# Altium PCB IntelligentCarFor51PcbDoc.PcbDoc (part 9 of 14) (continued)
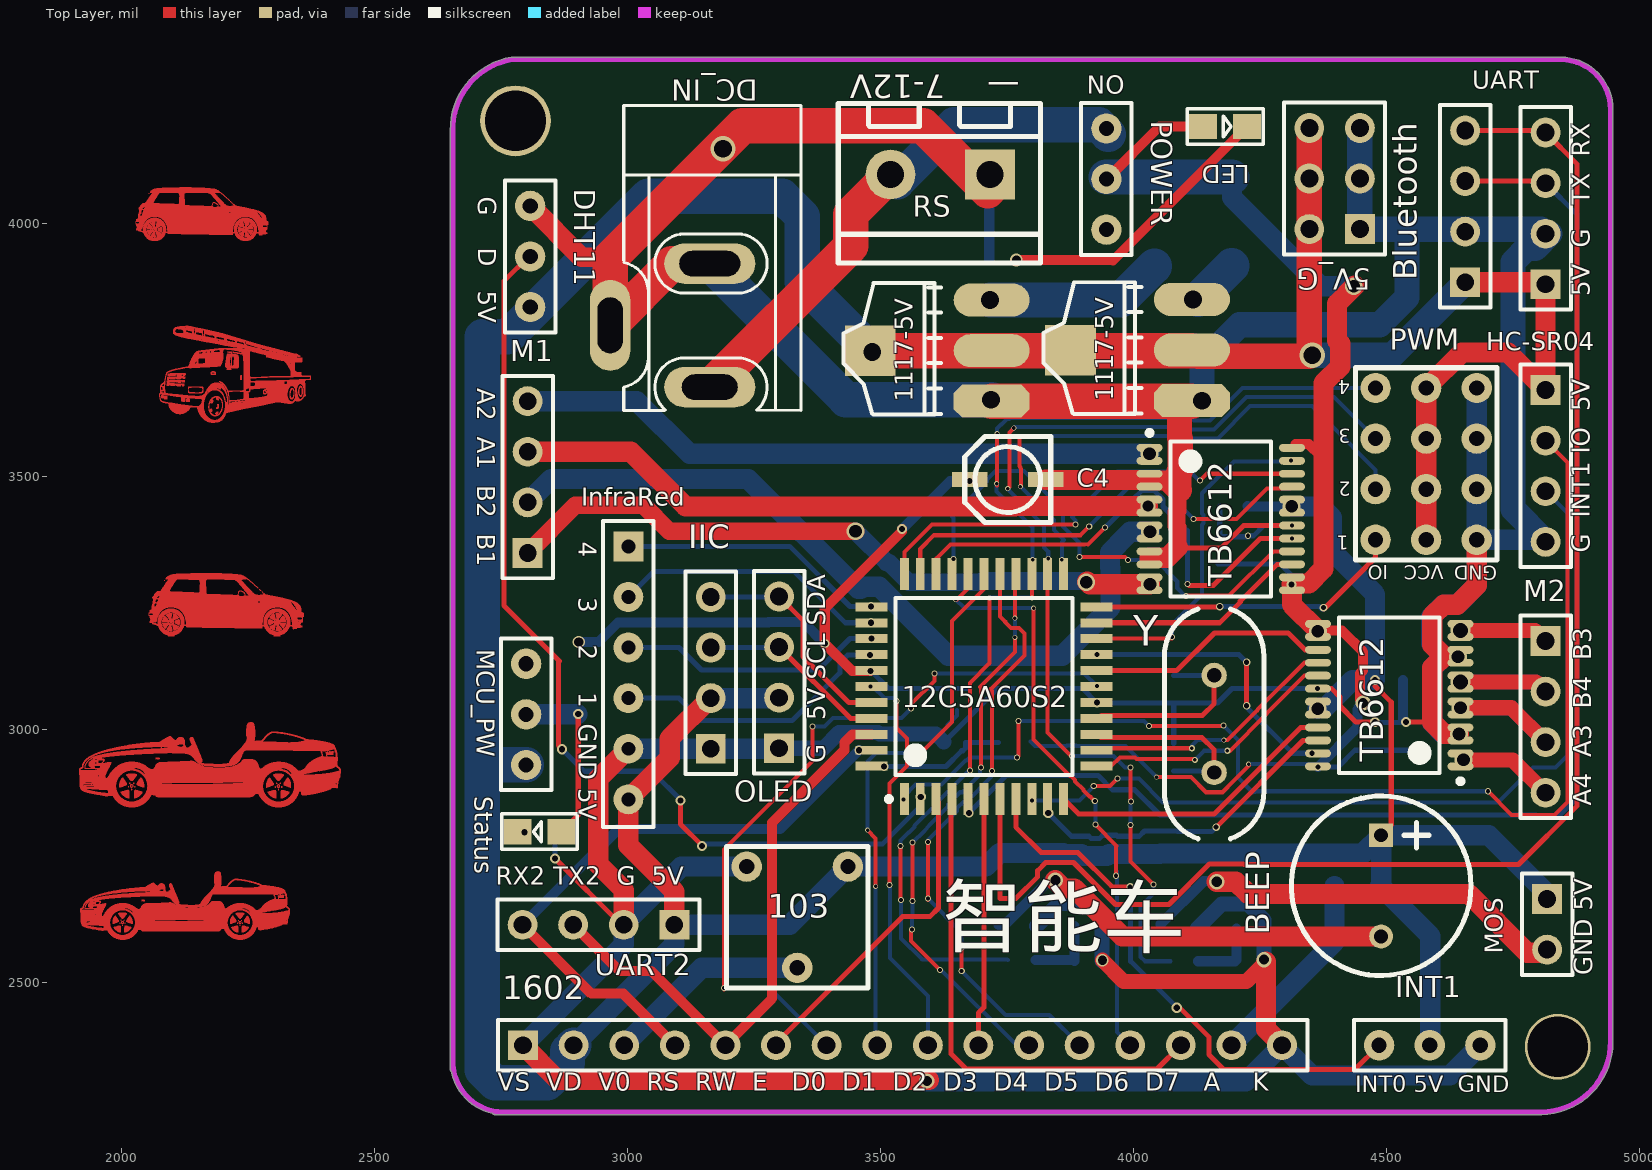
[diagram p0: Top Layer view]
## Nets (pads, with @x,y where several pads share a name; then routed paths per layer and width w, separated by ;. In a path a pad name is that pad's centre, name@x,y a point inside that pad or via, vN(x,y) a via of type N, cw(c..) or ccw(c..) an arc to the next point about the centre after c; other vN are vias at no path point) (continued)
2168.35,3256.1 ; 2166.6,3268.35 2168,3268.35 ; 2166.6,3268.7 2168,3268.7 ; 2166.6,3269.4 2168,3269.4 ; 2166.6,3269.75 2168,3269.75 ; 2166.6,3270.1 2168,3270.1 ; 2168,3268 2168.35,3268 ; 2168.7,3256.1 2327.95,3256.1 ; 2168.7,3258.9 2312.2,3258.9 ; 2169.05,3255.4 2285.95,3255.4 ; 2169.05,3259.6 2177.8,3259.6 ; 2169.4,3255.05 2177.8,3255.05 ; 2169.4,3259.95 2177.45,3259.95 ; 2169.75,3254.7 2177.1,3254.7 ; 2170.1,3260.3 2177.1,3260.3 ; 2170.45,3254.35 2176.75,3254.35 ; 2170.45,3260.65 2176.4,3260.65 ; 2170.8,3214.8 2278.95,3214.8 ; 2171.15,3254 2176.05,3254 ; 2172.2,3253.65 2175,3253.65 ; 2172.55,3258.55 2263.2,3258.55 ; 2172.55,3266.95 2195.3,3266.95 ; 2175.35,3253.65 2269.5,3253.65 ; 2176.4,3254 2269.85,3254 ; 2176.75,3260.65 2235.9,3260.65 ; 2177.1,3254.35 2270.55,3254.35 ; 2177.45,3260.3 2235.9,3260.3 ; 2177.8,3254.7 2286.65,3254.7 ; 2177.8,3259.95 2236.25,3259.95 ; 2178.15,3255.05 2286.3,3255.05 ; 2178.15,3259.6 2236.6,3259.6 ; 2178.5,3202.2 2278.25,3202.2 ; 2178.5,3259.25 2237.3,3259.25 ; 2179.9,3299.15 2180.25,3299.15 ; 2180.25,3258.2 2317.1,3258.2 ; 2180.95,3257.85 2263.55,3257.85 ; 2180.95,3266.6 2204.4,3266.6 ; 2180.95,3299.15 2234.5,3299.15 ; 2181.3,3257.5 2263.55,3257.5 ; 2181.65,3256.45 2284.9,3256.45 ; 2181.65,3257.15 2284.2,3257.15 ; 2182,3256.8 2284.55,3256.8 ; 2182,3308.95 2183.05,3308.95 ; 2189.35,3214.45 2278.95,3214.45 ; 2189.7,3266.25 2211.75,3266.25 ; 2197.75,3265.9 2220.15,3265.9 ; 2198.8,3265.55 2199.5,3265.55 ; 2199.85,3201.85 2278.25,3201.85 ; 2204.05,3297.4 2226.8,3297.4 ; 2206.5,3265.55 2228.2,3265.55 ; 2208.25,3214.1 2278.95,3214.1 ; 2211.75,3298.8 2218.4,3298.8 ; 2214.9,3265.2 2231.7,3265.2 ; 2221.9,3297.05 2227.15,3297.05 ; 2222.6,3264.85 2232.05,3264.85 ; 2223.65,3296.7 2227.5,3296.7 ; 2224.35,3201.5 2278.25,3201.5 ; 2224.7,3296.35 2227.85,3296.35 ; 2225.4,3296 2228.2,3296 ; 2225.75,3213.75 2278.6,3213.75 ; 2226.1,3295.65 2228.55,3295.65 ; 2226.45,3295.3 2228.9,3295.3 ; 2226.45,3298.1 2231.35,3298.1 ; 2226.8,3297.75 2231.7,3297.75 ; 2227.15,3294.95 2228.9,3294.95 ; 2227.15,3297.4 2232.05,3297.4 ; 2227.5,3294.6 2229.25,3294.6 ; 2227.5,3297.05 2232.4,3297.05 ; 2227.85,3294.25 2229.6,3294.25 ; 2227.85,3296.7 2232.75,3296.7 ; 2228.2,3293.9 2229.95,3293.9 ; 2228.2,3296.35 2233.1,3296.35 ; 2228.55,3296 2233.45,3296 ; 2228.9,3293.2 2230.65,3293.2 ; 2228.9,3293.55 2230.3,3293.55 ; 2228.9,3295.65 2233.8,3295.65 ; 2229.25,3292.85 2231,3292.85 ; 2229.25,3295.3 2234.15,3295.3 ; 2229.6,3292.5 2231.35,3292.5 ; 2229.6,3294.95 2234.5,3294.95 ; 2229.95,3292.15 2231.7,3292.15 ; 2229.95,3294.6 2234.85,3294.6 ; 2230.3,3266.6 2231,3266.6 ; 2230.3,3266.95 2231,3266.95 ; 2230.3,3267.3 2231,3267.3 ; 2230.3,3267.65 2231,3267.65 ; 2230.3,3291.8 2232.05,3291.8 ; 2230.3,3294.25 2235.2,3294.25 ; 2230.65,3264.5 2231,3264.5 ; 2230.65,3265.55 2231.35,3265.55 ; 2230.65,3265.9 2231,3265.9 ; 2230.65,3266.25 2231,3266.25 ; 2230.65,3268 2231,3268 ; 2230.65,3268.35 2231,3268.35 ; 2230.65,3268.7 2231,3268.7 ; 2230.65,3269.05 2231.35,3269.05 ; 2230.65,3269.4 2231.35,3269.4 ; 2230.65,3291.45 2232.4,3291.45 ; 2230.65,3293.9 2235.55,3293.9 ; 2231,3269.75 2231.35,3269.75 ; 2231,3270.1 2231.35,3270.1 ; 2231,3270.45 2231.7,3270.45 ; 2231,3291.1 2232.75,3291.1 ; 2231,3293.2 2235.9,3293.2 ; 2231,3293.55 2235.9,3293.55 ; 2231.35,3264.5 2232.75,3264.5 ; 2231.35,3270.8 2231.7,3270.8 ; 2231.35,3271.15 2231.7,3271.15 ; 2231.35,3271.5 2232.05,3271.5 ; 2231.35,3271.85 2232.05,3271.85 ; 2231.35,3290.75 2232.75,3290.75 ; 2231.35,3292.85 2236.25,3292.85 ; 2231.7,3272.2 2232.05,3272.2 ; 2231.7,3272.55 2232.05,3272.55 ; 2231.7,3290.4 2233.1,3290.4 ; 2231.7,3292.5 2236.6,3292.5 ; 2232.05,3264.15 2233.45,3264.15 ; 2232.05,3272.9 2232.4,3272.9 ; 2232.05,3273.25 2232.75,3273.25 ; 2232.05,3290.05 2233.45,3290.05 ; 2232.05,3292.15 2236.95,3292.15 ; 2232.05,3298.1 2244.65,3298.1 ; 2232.4,3273.6 2232.75,3273.6 ; 2232.4,3289.7 2233.8,3289.7 ; 2232.4,3291.8 2237.3,3291.8 ; 2232.4,3297.75 2242.55,3297.75 ; 2232.75,3273.95 2233.45,3273.95 ; 2232.75,3289 2234.5,3289 ; 2232.75,3289.35 2234.15,3289.35 ; 2232.75,3291.45 2237.65,3291.45 ; 2232.75,3297.05 2234.85,3297.05 ; 2232.75,3297.4 2239.4,3297.4 ; 2233.1,3274.3 2236.6,3274.3 ; 2233.1,3288.65 2234.85,3288.65 ; 2233.1,3291.1 2238,3291.1 ; 2233.1,3296.7 2235.2,3296.7 ; 2233.45,3288.3 2235.2,3288.3 ; 2233.45,3290.75 2238.35,3290.75 ; 2233.45,3296.35 2235.55,3296.35 ; 2233.8,3287.95 2235.55,3287.95 ; 2233.8,3290.4 2238.7,3290.4 ; 2233.8,3296 2235.9,3296 ; 2233.8,3298.45 2246.75,3298.45 ; 2234.15,3287.6 2235.9,3287.6 ; 2234.15,3290.05 2239.05,3290.05 ; 2234.15,3295.65 2236.25,3295.65 ; 2234.5,3287.25 2235.9,3287.25 ; 2234.5,3289.35 2239.75,3289.35 ; 2234.5,3289.7 2239.4,3289.7 ; 2234.5,3295.3 2236.6,3295.3 ; 2234.85,3286.9 2236.25,3286.9 ; 2234.85,3289 2240.1,3289 ; 2234.85,3294.95 2236.95,3294.95 ; 2235.2,3286.2 2236.95,3286.2 ; 2235.2,3286.55 2236.6,3286.55 ; 2235.2,3288.65 2240.1,3288.65 ; 2235.2,3294.6 2237.3,3294.6 ; 2235.55,3285.85 2237.3,3285.85 ; 2235.55,3288.3 2240.45,3288.3 ; 2235.55,3294.25 2237.65,3294.25 ; 2235.9,3261 2261.45,3261 ; 2235.9,3262.05 2247.45,3262.05 ; 2235.9,3285.5 2237.65,3285.5 ; 2235.9,3287.95 2240.8,3287.95 ; 2235.9,3293.9 2237.65,3293.9 ; 2236.25,3260.3 2247.1,3260.3 ; 2236.25,3260.65 2281.05,3260.65 ; 2236.25,3262.4 2244.3,3262.4 ; 2236.25,3262.75 2237.65,3262.75 ; 2236.25,3273.95 2238,3273.95 ; 2236.25,3285.15 2238,3285.15 ; 2236.25,3287.6 2241.15,3287.6 ; 2236.25,3293.55 2238,3293.55 ; 2236.6,3259.95 2246.75,3259.95 ; 2236.6,3263.1 2245.35,3263.1 ; 2236.6,3284.8 2238,3284.8 ; 2236.6,3287.25 2241.5,3287.25 ; 2236.6,3293.2 2238.35,3293.2 ; 2236.95,3284.1 2238.7,3284.1 ; 2236.95,3284.45 2238.35,3284.45 ; 2236.95,3286.55 2242.2,3286.55 ; 2236.95,3286.9 2241.85,3286.9 ; 2236.95,3292.85 2238.7,3292.85 ; 2237.3,3259.6 2246.4,3259.6 ; 2237.3,3283.75 2239.05,3283.75 ; 2237.3,3286.2 2242.55,3286.2 ; 2237.3,3292.5 2239.05,3292.5 ; 2237.65,3259.25 2245.35,3259.25 ; 2237.65,3273.6 2238.7,3273.6 ; 2237.65,3283.4 2239.4,3283.4 ; 2237.65,3285.85 2242.9,3285.85 ; 2237.65,3291.8 2239.75,3291.8 ; 2237.65,3292.15 2239.4,3292.15 ; 2238,3262.75 2245,3262.75 ; 2238,3283.05 2239.75,3283.05 ; 2238,3285.5 2243.25,3285.5 ; 2238,3291.45 2240.1,3291.45 ; 2238.35,3273.25 2239.4,3273.25 ; 2238.35,3282.7 2240.1,3282.7 ; 2238.35,3285.15 2243.6,3285.15 ; 2238.35,3291.1 2240.45,3291.1 ; 2238.7,3282.35 2240.45,3282.35 ; 2238.7,3284.8 2243.6,3284.8 ; 2238.7,3290.75 2240.8,3290.75 ; 2239.05,3272.9 2240.1,3272.9 ; 2239.05,3281.65 2240.8,3281.65 ; 2239.05,3282 2240.45,3282 ; 2239.05,3284.45 2244.3,3284.45 ; 2239.05,3290.4 2241.15,3290.4 ; 2239.4,3281.3 2241.15,3281.3 ; 2239.4,3283.75 2244.65,3283.75 ; 2239.4,3284.1 2244.65,3284.1 ; 2239.4,3290.05 2241.5,3290.05 ; 2239.75,3272.55 2240.8,3272.55 ; 2239.75,3280.95 2241.5,3280.95 ; 2239.75,3283.4 2245,3283.4 ; 2239.75,3289.7 2241.5,3289.7 ; 2239.75,3298.8 2248.5,3298.8 ; 2240.1,3263.8 2245.7,3263.8 ; 2240.1,3280.6 2241.85,3280.6 ; 2240.1,3283.05 2245.35,3283.05 ; 2240.1,3289.35 2242.2,3289.35 ; 2240.45,3272.2 2241.15,3272.2 ; 2240.45,3279.9 2242.2,3279.9 ; 2240.45,3280.25 2242.2,3280.25 ; 2240.45,3282.7 2245.7,3282.7 ; 2240.45,3289 2242.2,3289 ; 2240.8,3213.4 2241.15,3213.4 ; 2240.8,3271.85 2241.5,3271.85 ; 2240.8,3282.35 2246.05,3282.35 ; 2240.8,3288.65 2242.55,3288.65 ; 2241.15,3279.2 2242.9,3279.2 ; 2241.15,3279.55 2242.55,3279.55 ; 2241.15,3282 2246.4,3282 ; 2241.15,3288.3 2242.9,3288.3 ; 2241.5,3264.15 2257.25,3264.15 ; 2241.5,3271.5 2242.2,3271.5 ; 2241.5,3278.85 2243.25,3278.85 ; 2241.5,3281.3 2247.1,3281.3 ; 2241.5,3281.65 2246.75,3281.65 ; 2241.5,3287.95 2243.25,3287.95 ; 2241.85,3271.15 2242.55,3271.15 ; 2241.85,3278.5 2243.6,3278.5 ; 2241.85,3280.95 2247.45,3280.95 ; 2241.85,3287.6 2243.6,3287.6 ; 2242.2,3213.4 2278.95,3213.4 ; 2242.2,3270.8 2242.9,3270.8 ; 2242.2,3278.15 2243.95,3278.15 ; 2242.2,3280.6 2247.8,3280.6 ; 2242.2,3287.25 2243.95,3287.25 ; 2242.55,3264.5 2251.3,3264.5 ; 2242.55,3270.45 2243.25,3270.45 ; 2242.55,3277.8 2244.3,3277.8 ; 2242.55,3280.25 2248.15,3280.25 ; 2242.55,3286.55 2244.65,3286.55 ; 2242.55,3286.9 2244.3,3286.9 ; 2242.9,3270.1 2243.6,3270.1 ; 2242.9,3277.1 2244.65,3277.1 ; 2242.9,3277.45 2244.3,3277.45 ; 2242.9,3279.9 2248.5,3279.9 ; 2242.9,3286.2 2245,3286.2 ; 2242.9,3299.15 2248.15,3299.15 ; 2243.25,3264.85 2245,3264.85 ; 2243.25,3269.75 2243.95,3269.75 ; 2243.25,3276.75 2245,3276.75 ; 2243.25,3279.2 2248.85,3279.2 ; 2243.25,3279.55 2248.5,3279.55 ; 2243.25,3285.85 2245.35,3285.85 ; 2243.6,3265.2 2245,3265.2 ; 2243.6,3269.4 2243.95,3269.4 ; 2243.6,3276.4 2245.35,3276.4 ; 2243.6,3285.5 2245.35,3285.5 ; 2243.95,3265.55 2244.65,3265.55 ; 2243.95,3265.9 2244.65,3265.9 ; 2243.95,3268.7 2244.65,3268.7 ; 2243.95,3269.05 2244.3,3269.05 ; 2243.95,3276.05 2245.7,3276.05 ; 2243.95,3278.5 2249.55,3278.5 ; 2243.95,3278.85 2249.2,3278.85 ; 2243.95,3285.15 2246.05,3285.15 ; 2244.3,3266.25 2244.65,3266.25 ; 2244.3,3266.6 2245,3266.6 ; 2244.3,3266.95 2245,3266.95 ; 2244.3,3267.3 2245,3267.3 ; 2244.3,3267.65 2244.65,3267.65 ; 2244.3,3268 2244.65,3268 ; 2244.3,3268.35 2244.65,3268.35 ; 2244.3,3275.35 2246.05,3275.35 ; 2244.3,3275.7 2246.05,3275.7 ; 2244.3,3278.15 2249.9,3278.15 ; 2244.3,3284.8 2246.05,3284.8 ; 2244.65,3262.4 2270.9,3262.4 ; 2244.65,3275 2246.4,3275 ; 2244.65,3277.8 2250.25,3277.8 ; 2244.65,3284.45 2246.4,3284.45 ; 2245,3274.65 2246.75,3274.65 ; 2245,3277.1 2250.95,3277.1 ; 2245,3277.45 2250.6,3277.45 ; 2245,3284.1 2246.75,3284.1 ; 2245.35,3262.75 2247.1,3262.75 ; 2245.35,3274.3 2247.1,3274.3 ; 2245.35,3276.75 2251.3,3276.75 ; 2245.35,3283.75 2247.1,3283.75 ; 2245.35,3299.5 2247.8,3299.5 ; 2245.7,3259.25 2262.85,3259.25 ; 2245.7,3263.1 2254.45,3263.1 ; 2245.7,3273.6 2247.8,3273.6 ; 2245.7,3273.95 2247.45,3273.95 ; 2245.7,3276.4 2251.65,3276.4 ; 2245.7,3283.4 2247.45,3283.4 ; 2246.05,3263.8 2300.65,3263.8 ; 2246.05,3273.25 2247.8,3273.25 ; 2246.05,3276.05 2252,3276.05 ; 2246.05,3283.05 2247.8,3283.05 ; 2246.4,3272.9 2248.15,3272.9 ; 2246.4,3275.7 2252.35,3275.7 ; 2246.4,3282.7 2248.15,3282.7 ; 2246.75,3259.6 2262.5,3259.6 ; 2246.75,3272.55 2248.5,3272.55 ; 2246.75,3275.35 2252.7,3275.35 ; 2246.75,3282.35 2248.5,3282.35 ; 2246.75,3299.85 2247.1,3299.85 ; 2247.1,3259.95 2281.75,3259.95 ; 2247.1,3263.45 2247.45,3263.45 ; 2247.1,3272.2 2248.85,3272.2 ; 2247.1,3274.65 2253.4,3274.65 ; 2247.1,3275 2253.05,3275 ; 2247.1,3281.65 2249.2,3281.65 ; 2247.1,3282 2248.85,3282 ; 2247.45,3260.3 2262.15,3260.3 ; 2247.45,3262.75 2264.25,3262.75 ; 2247.45,3271.5 2249.2,3271.5 ; 2247.45,3271.85 2249.2,3271.85 ; 2247.45,3274.3 2253.75,3274.3 ; 2247.45,3281.3 2249.2,3281.3 ; 2247.8,3262.05 2260.05,3262.05 ; 2247.8,3271.15 2249.55,3271.15 ; 2247.8,3273.95 2253.75,3273.95 ; 2247.8,3280.95 2249.55,3280.95 ; 2248.15,3270.8 2249.9,3270.8 ; 2248.15,3273.6 2254.1,3273.6 ; 2248.15,3280.6 2249.9,3280.6 ; 2248.5,3270.1 2250.6,3270.1 ; 2248.5,3270.45 2250.25,3270.45 ; 2248.5,3273.25 2254.45,3273.25 ; 2248.5,3280.25 2250.6,3280.25 ; 2248.85,3269.75 2250.6,3269.75 ; 2248.85,3272.55 2255.15,3272.55 ; 2248.85,3272.9 2254.8,3272.9 ; 2248.85,3279.9 2250.6,3279.9 ; 2248.85,3298.45 2249.2,3298.45 ; 2249.2,3269.4 2250.95,3269.4 ; 2249.2,3272.2 2255.5,3272.2 ; 2249.2,3279.55 2250.95,3279.55 ; 2249.2,3298.1 2249.55,3298.1 ; 2249.55,3269.05 2251.3,3269.05 ; 2249.55,3271.85 2255.85,3271.85 ; 2249.55,3279.2 2251.3,3279.2 ; 2249.55,3297.75 2250.25,3297.75 ; 2249.9,3268.7 2251.65,3268.7 ; 2249.9,3271.5 2256.2,3271.5 ; 2249.9,3278.85 2251.65,3278.85 ; 2249.9,3297.4 2250.6,3297.4 ; 2250.25,3268 2252,3268 ; 2250.25,3268.35 2252,3268.35 ; 2250.25,3270.8 2256.9,3270.8 ; 2250.25,3271.15 2256.55,3271.15 ; 2250.25,3278.5 2252,3278.5 ; 2250.25,3297.05 2250.95,3297.05 ; 2250.6,3267.65 2252.35,3267.65 ; 2250.6,3270.45 2257.25,3270.45 ; 2250.6,3278.15 2252.35,3278.15 ; 2250.95,3267.3 2252.7,3267.3 ; 2250.95,3270.1 2257.6,3270.1 ; 2250.95,3277.8 2252.7,3277.8 ; 2250.95,3296.7 2251.3,3296.7 ; 2251.3,3201.15 2278.25,3201.15 ; 2251.3,3266.95 2253.05,3266.95 ; 2251.3,3269.75 2257.95,3269.75 ; 2251.3,3277.1 2253.4,3277.1 ; 2251.3,3277.45 2253.05,3277.45 ; 2251.3,3296.35 2251.65,3296.35 ; 2251.65,3266.25 2253.4,3266.25 ; 2251.65,3266.6 2253.4,3266.6 ; 2251.65,3269.05 2258.3,3269.05 ; 2251.65,3269.4 2257.95,3269.4 ; 2251.65,3276.75 2253.75,3276.75 ; 2251.65,3296 2252.35,3296 ; 2252,3265.9 2253.75,3265.9 ; 2252,3268.7 2258.65,3268.7 ; 2252,3276.4 2254.1,3276.4 ; 2252.35,3265.55 2254.1,3265.55 ; 2252.35,3268.35 2259,3268.35 ; 2252.35,3276.05 2254.45,3276.05 ; 2252.35,3295.65 2252.7,3295.65 ; 2252.7,3265.2 2254.45,3265.2 ; 2252.7,3268 2259.35,3268 ; 2252.7,3275.7 2254.8,3275.7 ; 2252.7,3295.3 2253.05,3295.3 ; 2253.05,3264.85 2254.8,3264.85 ; 2253.05,3267.3 2260.05,3267.3 ; 2253.05,3267.65 2259.7,3267.65 ; 2253.05,3275.35 2255.15,3275.35 ; 2253.05,3294.95 2253.4,3294.95 ; 2253.4,3266.95 2260.4,3266.95 ; 2253.4,3275 2255.5,3275 ; 2253.4,3294.6 2253.75,3294.6 ; 2253.75,3266.6 2260.75,3266.6 ; 2253.75,3274.65 2255.85,3274.65 ; 2253.75,3294.25 2254.45,3294.25 ; 2254.1,3263.45 2254.8,3263.45 ; 2254.1,3266.25 2261.1,3266.25 ; 2254.1,3274.3 2256.2,3274.3 ; 2254.45,3265.55 2261.8,3265.55 ; 2254.45,3265.9 2261.45,3265.9 ; 2254.45,3273.95 2256.55,3273.95 ; 2254.45,3293.9 2254.8,3293.9 ; 2254.8,3263.1 2255.85,3263.1 ; 2254.8,3265.2 2261.8,3265.2 ; 2254.8,3273.6 2256.9,3273.6 ; 2254.8,3293.55 2255.15,3293.55 ; 2255.15,3264.85 2262.5,3264.85 ; 2255.15,3273.25 2257.25,3273.25 ; 2255.15,3293.2 2255.5,3293.2 ; 2255.5,3272.55 2257.6,3272.55 ; 2255.5,3272.9 2257.25,3272.9 ; 2255.5,3292.85 2255.85,3292.85 ; 2255.85,3263.45 2302.4,3263.45 ; 2255.85,3272.2 2257.95,3272.2 ; 2255.85,3292.5 2256.55,3292.5 ; 2256.2,3271.85 2258.3,3271.85 ; 2256.55,3213.05 2257.6,3213.05 ; 2256.55,3271.5 2258.65,3271.5 ; 2256.55,3292.15 2256.9,3292.15 ; 2256.9,3264.5 2262.5,3264.5 ; 2256.9,3271.15 2259,3271.15 ; 2256.9,3291.8 2257.25,3291.8 ; 2257.25,3270.8 2259.35,3270.8 ; 2257.25,3291.45 2257.6,3291.45 ; 2257.6,3270.45 2260.05,3270.45 ; 2257.6,3291.1 2257.95,3291.1 ; 2257.95,3213.05 2278.6,3213.05 ; 2257.95,3270.1 2260.4,3270.1 ; 2257.95,3290.75 2258.3,3290.75 ; 2258.3,3269.75 2260.75,3269.75 ; 2258.3,3290.4 2259,3290.4 ; 2258.65,3269.4 2261.1,3269.4 ; 2258.65,3290.05 2259.35,3290.05 ; 2259,3269.05 2261.45,3269.05 ; 2259.35,3268.7 2262.15,3268.7 ; 2259.35,3289.7 2259.7,3289.7 ; 2259.7,3268.35 2262.5,3268.35 ; 2259.7,3289.35 2260.05,3289.35 ; 2260.05,3267.65 2263.55,3267.65 ; 2260.05,3268 2262.85,3268 ; 2260.05,3289 2260.4,3289 ; 2260.4,3262.05 2277.55,3262.05 ; 2260.4,3267.3 2264.25,3267.3 ; 2260.4,3288.65 2260.75,3288.65 ; 2260.75,3261.7 2280,3261.7 ; 2260.75,3266.95 2264.95,3266.95 ; 2260.75,3288.3 2261.1,3288.3 ; 2261.1,3266.6 2266,3266.6 ; 2261.1,3287.95 2261.8,3287.95 ; 2261.45,3266.25 2267.4,3266.25 ; 2261.8,3261 2291.9,3261 ; 2261.8,3265.9 2269.15,3265.9 ; 2262.15,3265.55 2280.7,3265.55 ; 2262.15,3287.25 2262.5,3287.25 ; 2262.5,3260.3 2281.4,3260.3 ; 2262.5,3265.2 2278.6,3265.2 ; 2262.85,3259.6 2282.1,3259.6 ; 2262.85,3263.1 2263.2,3263.1 ; 2262.85,3264.85 2276.15,3264.85 ; 2262.85,3286.55 2263.2,3286.55 ; 2263.2,3259.25 2282.45,3259.25 ; 2263.2,3264.5 2271.95,3264.5 ; 2263.2,3286.2 2263.55,3286.2 ; 2263.55,3258.55 2314.65,3258.55 ; 2263.55,3285.85 2263.9,3285.85 ; 2263.9,3257.5 2321.3,3257.5 ; 2263.9,3257.85 2319.55,3257.85 ; 2263.9,3263.1 2304.15,3263.1 ; 2263.9,3285.5 2264.25,3285.5 ; 2264.25,3285.15 2264.6,3285.15 ; 2264.6,3284.8 2264.95,3284.8 ; 2264.95,3284.45 2265.3,3284.45 ; 2265.65,3284.1 2266,3284.1 ; 2266.35,3283.4 2266.7,3283.4 ; 2266.7,3283.05 2267.05,3283.05 ; 2267.05,3282.7 2267.4,3282.7 ; 2267.4,3282.35 2267.75,3282.35 ; 2267.75,3282 2268.1,3282 ; 2268.1,3281.65 2268.45,3281.65 ; 2268.45,3281.3 2268.8,3281.3 ; 2268.8,3280.95 2269.15,3280.95 ; 2269.15,3280.6 2269.5,3280.6 ; 2269.5,3280.25 2269.85,3280.25 ; 2269.85,3279.9 2270.2,3279.9 ; 2270.2,3279.55 2270.55,3279.55 ; 2270.55,3262.75 2305.9,3262.75 ; 2270.55,3279.2 2270.9,3279.2 ; 2271.25,3254.35 2271.6,3254.35 ; 2271.95,3254.35 2330.75,3254.35 ; 2271.95,3264.15 2298.9,3264.15 ; 2272.3,3212.7 2275.45,3212.7 ; 2272.65,3277.45 2273,3277.45 ; 2273,3277.1 2273.35,3277.1 ; 2273.35,3276.75 2273.7,3276.75 ; 2273.7,3276.4 2274.05,3276.4 ; 2274.05,3251.2 2282.1,3251.2 ; 2274.05,3251.55 2280.7,3251.55 ; 2274.05,3252.6 2281.4,3252.6 ; 2274.05,3253.65 2279.65,3253.65 ; 2274.05,3265.9 2282.1,3265.9 ; 2274.05,3276.05 2274.4,3276.05 ; 2274.4,3212.35 2274.75,3212.35 ; 2274.4,3252.25 2281.75,3252.25 ; 2274.4,3275.7 2274.75,3275.7 ; 2274.75,3275.35 2275.1,3275.35 ; 2275.1,3229.5 2280.35,3229.5 ; 2275.45,3253.3 2280.35,3253.3 ; 2275.45,3274.65 2275.8,3274.65 ; 2275.8,3212.7 2278.6,3212.7 ; 2275.8,3230.9 2284.55,3230.9 ; 2276.15,3231.6 2284.9,3231.6 ; 2276.15,3264.5 2297.15,3264.5 ; 2276.15,3274.3 2276.5,3274.3 ; 2276.5,3266.25 2283.15,3266.25 ; 2276.5,3273.6 2276.85,3273.6 ; 2276.85,3262.4 2307.65,3262.4 ; 2277.2,3233.35 2286.3,3233.35 ; 2277.9,3212.35 2278.6,3212.35 ; 2277.9,3234.75 2283.85,3234.75 ; 2278.25,3235.45 2284.55,3235.45 ; 2278.25,3272.2 2278.6,3272.2 ; 2278.6,3235.8 2284.9,3235.8 ; 2278.6,3271.85 2278.95,3271.85 ; 2278.95,3225.65 2281.75,3225.65 ; 2278.95,3226 2281.75,3226 ; 2278.95,3236.5 2285.6,3236.5 ; 2278.95,3264.85 2295.05,3264.85 ; 2278.95,3266.6 2283.85,3266.6 ; 2278.95,3271.5 2279.3,3271.5 ; 2279.3,3236.85 2285.95,3236.85 ; 2279.3,3271.15 2279.65,3271.15 ; 2279.65,3227.4 2282.45,3227.4 ; 2279.65,3237.2 2290.15,3237.2 ; 2279.65,3237.55 2286.65,3237.55 ; 2279.65,3270.8 2280,3270.8 ; 2280,3228.1 2282.8,3228.1 ; 2280,3228.45 2282.8,3228.45 ; 2280,3237.9 2287,3237.9 ; 2280,3250.5 2280.35,3250.5 ; 2280,3254 2330.75,3254 ; 2280,3270.45 2280.35,3270.45 ; 2280.35,3228.8 2283.15,3228.8 ; 2280.35,3238.25 2291.9,3238.25 ; 2280.35,3266.95 2284.55,3266.95 ; 2280.35,3270.1 2280.7,3270.1 ; 2280.7,3229.5 2283.5,3229.5 ; 2280.7,3253.65 2331.1,3253.65 ; 2280.7,3261.35 2287.7,3261.35 ; 2280.7,3261.7 2282.1,3261.7 ; 2280.7,3265.2 2293.3,3265.2 ; 2281.05,3230.2 2283.85,3230.2 ; 2281.05,3269.4 2281.4,3269.4 ; 2281.05,3269.75 2281.4,3269.75 ; 2281.4,3206.4 2283.5,3206.4 ; 2281.4,3209.9 2282.8,3209.9 ; 2281.4,3210.25 2282.8,3210.25 ; 2281.4,3210.6 2282.8,3210.6 ; 2281.4,3210.95 2282.8,3210.95 ; 2281.4,3211.3 2282.8,3211.3 ; 2281.4,3211.65 2282.8,3211.65 ; 2281.4,3212 2282.8,3212 ; 2281.4,3212.35 2282.8,3212.35 ; 2281.4,3212.7 2282.8,3212.7 ; 2281.4,3213.05 2282.8,3213.05 ; 2281.4,3213.4 2282.8,3213.4 ; 2281.4,3213.75 2282.8,3213.75 ; 2281.4,3214.1 2282.8,3214.1 ; 2281.4,3214.45 2282.8,3214.45 ; 2281.4,3214.8 2282.8,3214.8 ; 2281.4,3215.15 2282.8,3215.15 ; 2281.4,3215.5 2282.8,3215.5 ; 2281.4,3215.85 2282.8,3215.85 ; 2281.4,3251.55 2282.1,3251.55 ; 2281.4,3253.3 2287.7,3253.3 ; 2281.4,3260.65 2296.1,3260.65 ; 2281.75,3207.8 2283.15,3207.8 ; 2281.75,3208.15 2283.15,3208.15 ; 2281.75,3208.5 2283.15,3208.5 ; 2281.75,3208.85 2283.15,3208.85 ; 2281.75,3209.2 2283.15,3209.2 ; 2281.75,3209.55 2282.8,3209.55 ; 2281.75,3216.2 2282.8,3216.2 ; 2281.75,3216.55 2283.15,3216.55 ; 2281.75,3216.9 2283.15,3216.9 ; 2281.75,3217.25 2283.15,3217.25 ; 2281.75,3217.6 2283.15,3217.6 ; 2281.75,3217.95 2283.15,3217.95 ; 2281.75,3218.3 2283.15,3218.3 ; 2281.75,3231.25 2284.55,3231.25 ; 2281.75,3240 2289.8,3240 ; 2281.75,3250.5 2290.15,3250.5 ; 2281.75,3252.95 2288.05,3252.95 ; 2281.75,3260.3 2299.95,3260.3 ; 2281.75,3267.3 2284.2,3267.3 ; 2281.75,3269.05 2282.1,3269.05 ; 2282.1,3206.75 2283.5,3206.75 ; 2282.1,3207.1 2283.5,3207.1 ; 2282.1,3207.45 2283.15,3207.45 ; 2282.1,3218.65 2283.5,3218.65 ; 2282.1,3219 2283.5,3219 ; 2282.1,3219.35 2283.5,3219.35 ; 2282.1,3219.7 2283.85,3219.7 ; 2282.1,3231.95 2285.25,3231.95 ; 2282.1,3240.35 2290.15,3240.35 ; 2282.1,3250.85 2290.15,3250.85 ; 2282.1,3252.6 2288.4,3252.6 ; 2282.1,3259.95 2303.45,3259.95 ; 2282.1,3265.55 2291.2,3265.55 ; 2282.1,3268.7 2282.45,3268.7 ; 2282.45,3205 2283.85,3205 ; 2282.45,3220.05 2283.85,3220.05 ; 2282.45,3220.4 2283.85,3220.4 ; 2282.45,3220.75 2283.85,3220.75 ; 2282.45,3240.7 2296.8,3240.7 ; 2282.45,3251.2 2289.8,3251.2 ; 2282.45,3251.55 2289.45,3251.55 ; 2282.45,3251.9 2289.1,3251.9 ; 2282.45,3252.25 2288.75,3252.25 ; 2282.45,3259.6 2306.6,3259.6 ; 2282.45,3262.05 2309.05,3262.05 ; 2282.45,3268.35 2282.8,3268.35 ; 2282.8,3203.95 2284.55,3203.95 ; 2282.8,3204.3 2284.2,3204.3 ; 2282.8,3204.65 2284.2,3204.65 ; 2282.8,3221.1 2284.2,3221.1 ; 2282.8,3221.45 2284.2,3221.45 ; 2282.8,3221.8 2284.55,3221.8 ; 2282.8,3233 2285.95,3233 ; 2282.8,3241.05 2291.2,3241.05 ; 2282.8,3259.25 2309.4,3259.25 ; 2282.8,3267.65 2283.5,3267.65 ; 2282.8,3268 2283.15,3268 ; 2283.15,3203.25 2284.55,3203.25 ; 2283.15,3203.6 2284.55,3203.6 ; 2283.15,3210.95 2288.05,3210.95 ; 2283.15,3211.3 2288.05,3211.3 ; 2283.15,3211.65 2288.05,3211.65 ; 2283.15,3212 2288.05,3212 ; 2283.15,3212.35 2288.05,3212.35 ; 2283.15,3212.7 2288.05,3212.7 ; 2283.15,3213.05 2288.05,3213.05 ; 2283.15,3213.4 2288.05,3213.4 ; 2283.15,3213.75 2288.05,3213.75 ; 2283.15,3214.1 2288.05,3214.1 ; 2283.15,3214.45 2288.05,3214.45 ; 2283.15,3214.8 2288.05,3214.8 ; 2283.15,3222.15 2284.55,3222.15 ; 2283.15,3222.5 2284.55,3222.5 ; 2283.15,3241.4 2291.9,3241.4 ; 2283.15,3265.9 2289.45,3265.9 ; 2283.5,3202.55 2284.9,3202.55 ; 2283.5,3202.9 2284.9,3202.9 ; 2283.5,3208.85 2288.4,3208.85 ; 2283.5,3209.2 2288.4,3209.2 ; 2283.5,3209.55 2288.4,3209.55 ; 2283.5,3209.9 2288.4,3209.9 ; 2283.5,3210.25 2288.4,3210.25 ; 2283.5,3210.6 2288.4,3210.6 ; 2283.5,3215.15 2288.4,3215.15 ; 2283.5,3215.5 2288.4,3215.5 ; 2283.5,3215.85 2288.4,3215.85 ; 2283.5,3216.2 2288.4,3216.2 ; 2283.5,3216.55 2288.4,3216.55 ; 2283.5,3216.9 2288.4,3216.9 ; 2283.5,3217.25 2288.75,3217.25 ; 2283.5,3222.85 2284.9,3222.85 ; 2283.5,3223.2 2284.9,3223.2 ; 2283.5,3223.55 2285.25,3223.55 ; 2283.85,3201.5 2285.6,3201.5 ; 2283.85,3201.85 2285.25,3201.85 ; 2283.85,3202.2 2285.25,3202.2 ; 2283.85,3207.1 2289.1,3207.1 ; 2283.85,3207.45 2288.75,3207.45 ; 2283.85,3207.8 2288.75,3207.8 ; 2283.85,3208.15 2288.75,3208.15 ; 2283.85,3208.5 2288.75,3208.5 ; 2283.85,3217.6 2288.75,3217.6 ; 2283.85,3217.95 2288.75,3217.95 ; 2283.85,3218.3 2288.75,3218.3 ; 2283.85,3218.65 2289.1,3218.65 ; 2283.85,3219 2289.1,3219 ; 2283.85,3223.9 2285.25,3223.9 ; 2283.85,3224.25 2285.6,3224.25 ; 2283.85,3234.4 2287,3234.4 ; 2284.2,3200.8 2285.95,3200.8 ; 2284.2,3201.15 2285.6,3201.15 ; 2284.2,3205.7 2289.45,3205.7 ; 2284.2,3206.05 2289.45,3206.05 ; 2284.2,3206.4 2289.1,3206.4 ; 2284.2,3206.75 2289.1,3206.75 ; 2284.2,3219.35 2289.1,3219.35 ; 2284.2,3219.7 2289.45,3219.7 ; 2284.2,3220.05 2289.45,3220.05 ; 2284.2,3224.6 2285.6,3224.6 ; 2284.2,3224.95 2285.95,3224.95 ; 2284.2,3234.75 2287.35,3234.75 ; 2284.2,3266.25 2287.7,3266.25 ; 2284.55,3200.1 2286.3,3200.1 ; 2284.55,3200.45 2285.95,3200.45 ; 2284.55,3204.65 2289.8,3204.65 ; 2284.55,3205 2289.8,3205 ; 2284.55,3205.35 2289.8,3205.35 ; 2284.55,3220.4 2289.45,3220.4 ; 2284.55,3220.75 2289.8,3220.75 ; 2284.55,3221.1 2289.8,3221.1 ; 2284.55,3225.3 2285.95,3225.3 ; 2284.55,3225.65 2286.3,3225.65 ; 2284.55,3235.1 2287.7,3235.1 ; 2284.55,3242.45 2294,3242.45 ; 2284.55,3257.15 2323.05,3257.15 ; 2284.55,3266.6 2285.6,3266.6 ; 2284.9,3199.75 2286.65,3199.75 ; 2284.9,3203.95 2290.15,3203.95 ; 2284.9,3204.3 2290.15,3204.3 ; 2284.9,3221.45 2290.15,3221.45 ; 2284.9,3221.8 2290.15,3221.8 ; 2284.9,3222.15 2290.5,3222.15 ; 2284.9,3226 2286.65,3226 ; 2284.9,3235.45 2288.05,3235.45 ; 2284.9,3242.8 2295.05,3242.8 ; 2284.9,3256.8 2324.8,3256.8 ; 2285.25,3199.05 2287,3199.05 ; 2285.25,3199.4 2286.65,3199.4 ; 2285.25,3202.9 2290.85,3202.9 ; 2285.25,3203.25 2290.85,3203.25 ; 2285.25,3203.6 2290.5,3203.6 ; 2285.25,3222.5 2290.5,3222.5 ; 2285.25,3222.85 2290.85,3222.85 ; 2285.25,3226.35 2286.65,3226.35 ; 2285.25,3226.7 2287,3226.7 ; 2285.25,3235.8 2288.4,3235.8 ; 2285.25,3243.15 2338.1,3243.15 ; 2285.25,3256.45 2326.2,3256.45 ; 2285.6,3198.7 2287.35,3198.7 ; 2285.6,3202.2 2291.2,3202.2 ; 2285.6,3202.55 2291.2,3202.55 ; 2285.6,3223.2 2291.2,3223.2 ; 2285.6,3223.55 2291.2,3223.55 ; 2285.6,3227.05 2287,3227.05 ; 2285.6,3227.4 2287.35,3227.4 ; 2285.6,3236.15 2288.75,3236.15 ; 2285.6,3243.5 2296.45,3243.5 ; 2285.95,3198 2287.7,3198 ; 2285.95,3198.35 2287.35,3198.35 ; 2285.95,3201.5 2291.9,3201.5 ; 2285.95,3201.85 2291.55,3201.85 ; 2285.95,3223.9 2291.55,3223.9 ; 2285.95,3224.25 2291.9,3224.25 ; 2285.95,3227.75 2287.7,3227.75 ; 2285.95,3236.5 2289.45,3236.5 ; 2286.3,3197.65 2288.05,3197.65 ; 2286.3,3201.15 2292.25,3201.15 ; 2286.3,3224.6 2292.25,3224.6 ; 2286.3,3224.95 2292.25,3224.95 ; 2286.3,3228.1 2287.7,3228.1 ; 2286.3,3236.85 2289.8,3236.85 ; 2286.3,3255.4 2330.4,3255.4 ; 2286.65,3196.95 2288.4,3196.95 ; 2286.65,3197.3 2288.4,3197.3 ; 2286.65,3200.45 2292.6,3200.45 ; 2286.65,3200.8 2292.25,3200.8 ; 2286.65,3225.3 2292.6,3225.3 ; 2286.65,3225.65 2292.95,3225.65 ; 2286.65,3228.45 2288.05,3228.45 ; 2286.65,3228.8 2288.4,3228.8 ; 2286.65,3244.2 2296.1,3244.2 ; 2286.65,3255.05 2330.75,3255.05 ; 2287,3196.6 2288.75,3196.6 ; 2287,3199.75 2293.3,3199.75 ; 2287,3200.1 2292.95,3200.1 ; 2287,3226 2293.3,3226 ; 2287,3229.15 2288.75,3229.15 ; 2287,3237.55 2290.85,3237.55 ; 2287,3254.7 2330.75,3254.7 ; 2287,3261.7 2311.15,3261.7 ; 2287.35,3196.25 2289.1,3196.25 ; 2287.35,3199.4 2293.65,3199.4 ; 2287.35,3226.35 2293.65,3226.35 ; 2287.35,3229.5 2289.1,3229.5 ; 2287.35,3237.9 2291.2,3237.9 ; 2287.7,3195.9 2289.45,3195.9 ; 2287.7,3198.7 2294.35,3198.7 ; 2287.7,3199.05 2294,3199.05 ; 2287.7,3226.7 2293.65,3226.7 ; 2287.7,3227.05 2294.35,3227.05 ; 2287.7,3229.85 2289.45,3229.85 ; 2287.7,3244.9 2295.4,3244.9 ; 2288.05,3195.55 2289.8,3195.55 ; 2288.05,3198.35 2294.7,3198.35 ; 2288.05,3227.4 2294.7,3227.4 ; 2288.05,3230.2 2289.8,3230.2 ; 2288.05,3230.55 2290.15,3230.55 ; 2288.05,3238.6 2292.25,3238.6 ; 2288.05,3253.3 2331.1,3253.3 ; 2288.4,3195.2 2290.15,3195.2 ; 2288.4,3198 2295.05,3198 ; 2288.4,3227.75 2295.05,3227.75 ; 2288.4,3228.1 2295.4,3228.1 ; 2288.4,3230.9 2290.5,3230.9 ; 2288.4,3245.25 2295.05,3245.25 ; 2288.4,3252.95 2331.1,3252.95 ; 2288.75,3194.85 2290.5,3194.85 ; 2288.75,3197.3 2295.75,3197.3 ; 2288.75,3197.65 2295.4,3197.65 ; 2288.75,3228.45 2295.75,3228.45 ; 2288.75,3231.25 2290.85,3231.25 ; 2288.75,3252.6 2331.45,3252.6 ; 2289.1,3194.15 2291.2,3194.15 ; 2289.1,3194.5 2290.85,3194.5 ; 2289.1,3196.95 2296.45,3196.95 ; 2289.1,3228.8 2296.45,3228.8 ; 2289.1,3231.6 2291.2,3231.6 ; 2289.1,3239.3 2293.65,3239.3 ; 2289.1,3252.25 2331.45,3252.25 ; 2289.45,3193.8 2291.55,3193.8 ; 2289.45,3196.6 2296.8,3196.6 ; 2289.45,3229.15 2296.8,3229.15 ; 2289.45,3231.95 2291.55,3231.95 ; 2289.45,3239.65 2294.35,3239.65 ; 2289.45,3251.9 2331.8,3251.9 ; 2289.8,3196.25 2297.5,3196.25 ; 2289.8,3229.5 2297.5,3229.5 ; 2289.8,3232.3 2291.9,3232.3 ; 2289.8,3245.95 2325.85,3245.95 ; 2289.8,3251.55 2331.8,3251.55 ; 2290.15,3193.45 2292.25,3193.45 ; 2290.15,3195.9 2298.2,3195.9 ; 2290.15,3229.85 2297.85,3229.85 ; 2290.15,3240 2295.05,3240 ; 2290.15,3246.3 2294.35,3246.3 ; 2290.15,3251.2 2332.15,3251.2 ; 2290.5,3193.1 2292.6,3193.1 ; 2290.5,3195.55 2298.9,3195.55 ; 2290.5,3210.25 2299.25,3210.25 ; 2290.5,3210.6 2299.95,3210.6 ; 2290.5,3210.95 2300.3,3210.95 ; 2290.5,3211.3 2299.95,3211.3 ; 2290.5,3211.65 2299.95,3211.65 ; 2290.5,3212 2299.95,3212 ; 2290.5,3212.35 2299.95,3212.35 ; 2290.5,3212.7 2299.95,3212.7 ; 2290.5,3213.05 2299.95,3213.05 ; 2290.5,3213.4 2299.95,3213.4 ; 2290.5,3213.75 2299.95,3213.75 ; 2290.5,3214.1 2299.95,3214.1 ; 2290.5,3214.45 2299.95,3214.45 ; 2290.5,3214.8 2299.95,3214.8 ; 2290.5,3215.15 2299.25,3215.15 ; 2290.5,3215.5 2298.2,3215.5 ; 2290.5,3230.2 2298.55,3230.2 ; 2290.5,3232.65 2292.6,3232.65 ; 2290.5,3240.35 2296.1,3240.35 ; 2290.5,3250.5 2332.5,3250.5 ; 2290.5,3250.85 2332.5,3250.85 ; 2290.85,3192.75 2292.95,3192.75 ; 2290.85,3195.2 2299.6,3195.2 ; 2290.85,3208.85 2296.45,3208.85 ; 2290.85,3209.2 2297.15,3209.2 ; 2290.85,3209.55 2297.85,3209.55 ; 2290.85,3209.9 2298.55,3209.9 ; 2290.85,3215.85 2297.5,3215.85 ; 2290.85,3216.2 2296.8,3216.2 ; 2290.85,3216.55 2296.1,3216.55 ; 2290.85,3216.9 2295.4,3216.9 ; 2290.85,3217.25 2294.7,3217.25 ; 2290.85,3230.55 2299.25,3230.55 ; 2290.85,3233 2292.95,3233 ; 2290.85,3246.65 2294,3246.65 ; 2290.85,3250.15 2332.85,3250.15 ; 2291.2,3192.4 2293.65,3192.4 ; 2291.2,3194.85 2300.3,3194.85